# Altium PCB Barrier_PCB.PcbDoc (part 1 of 2)
Units mil, origin at the board's own origin, x right, y up, seen from the top; angles counter-clockwise.
Board outline 4803.15 x 3444.88 mil, 2 copper layers (Top Layer, Bottom Layer); 116 components, 115 nets, 498 pads, 127 vias.
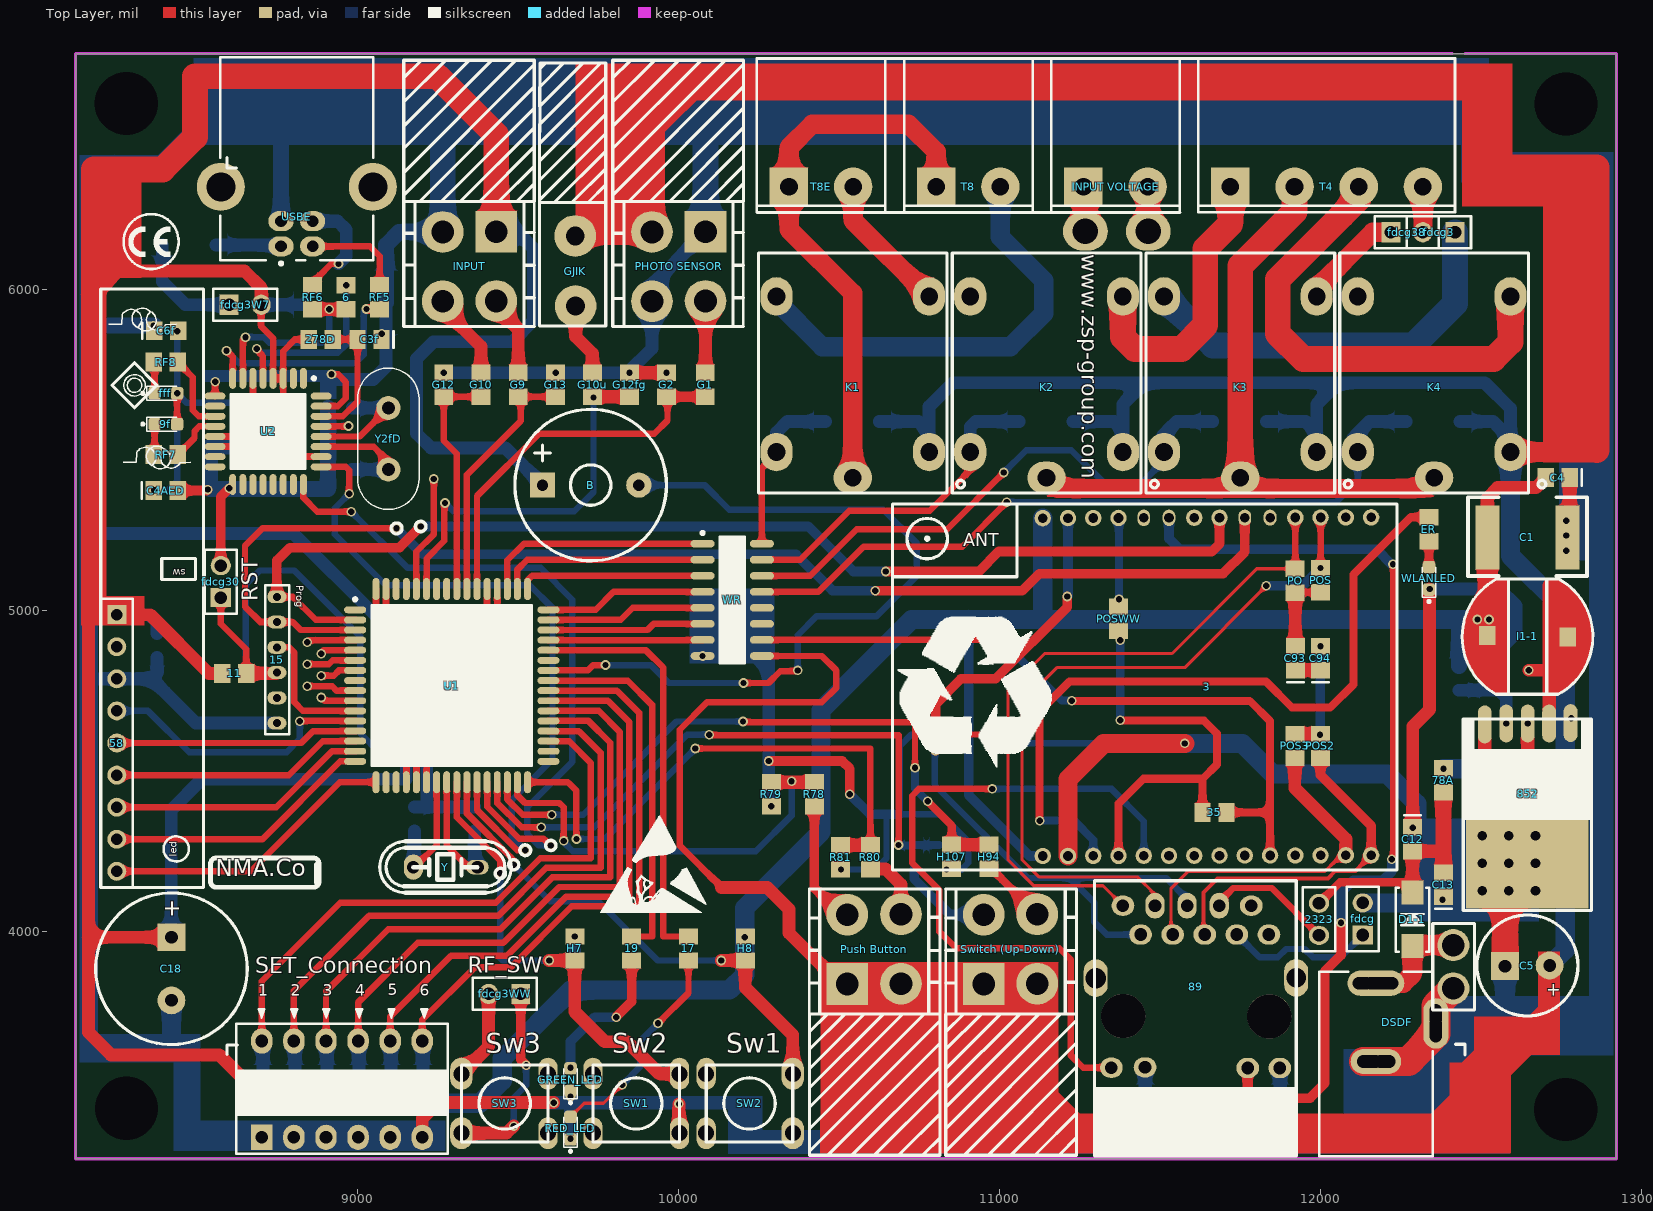
[diagram p0: Top Layer view]
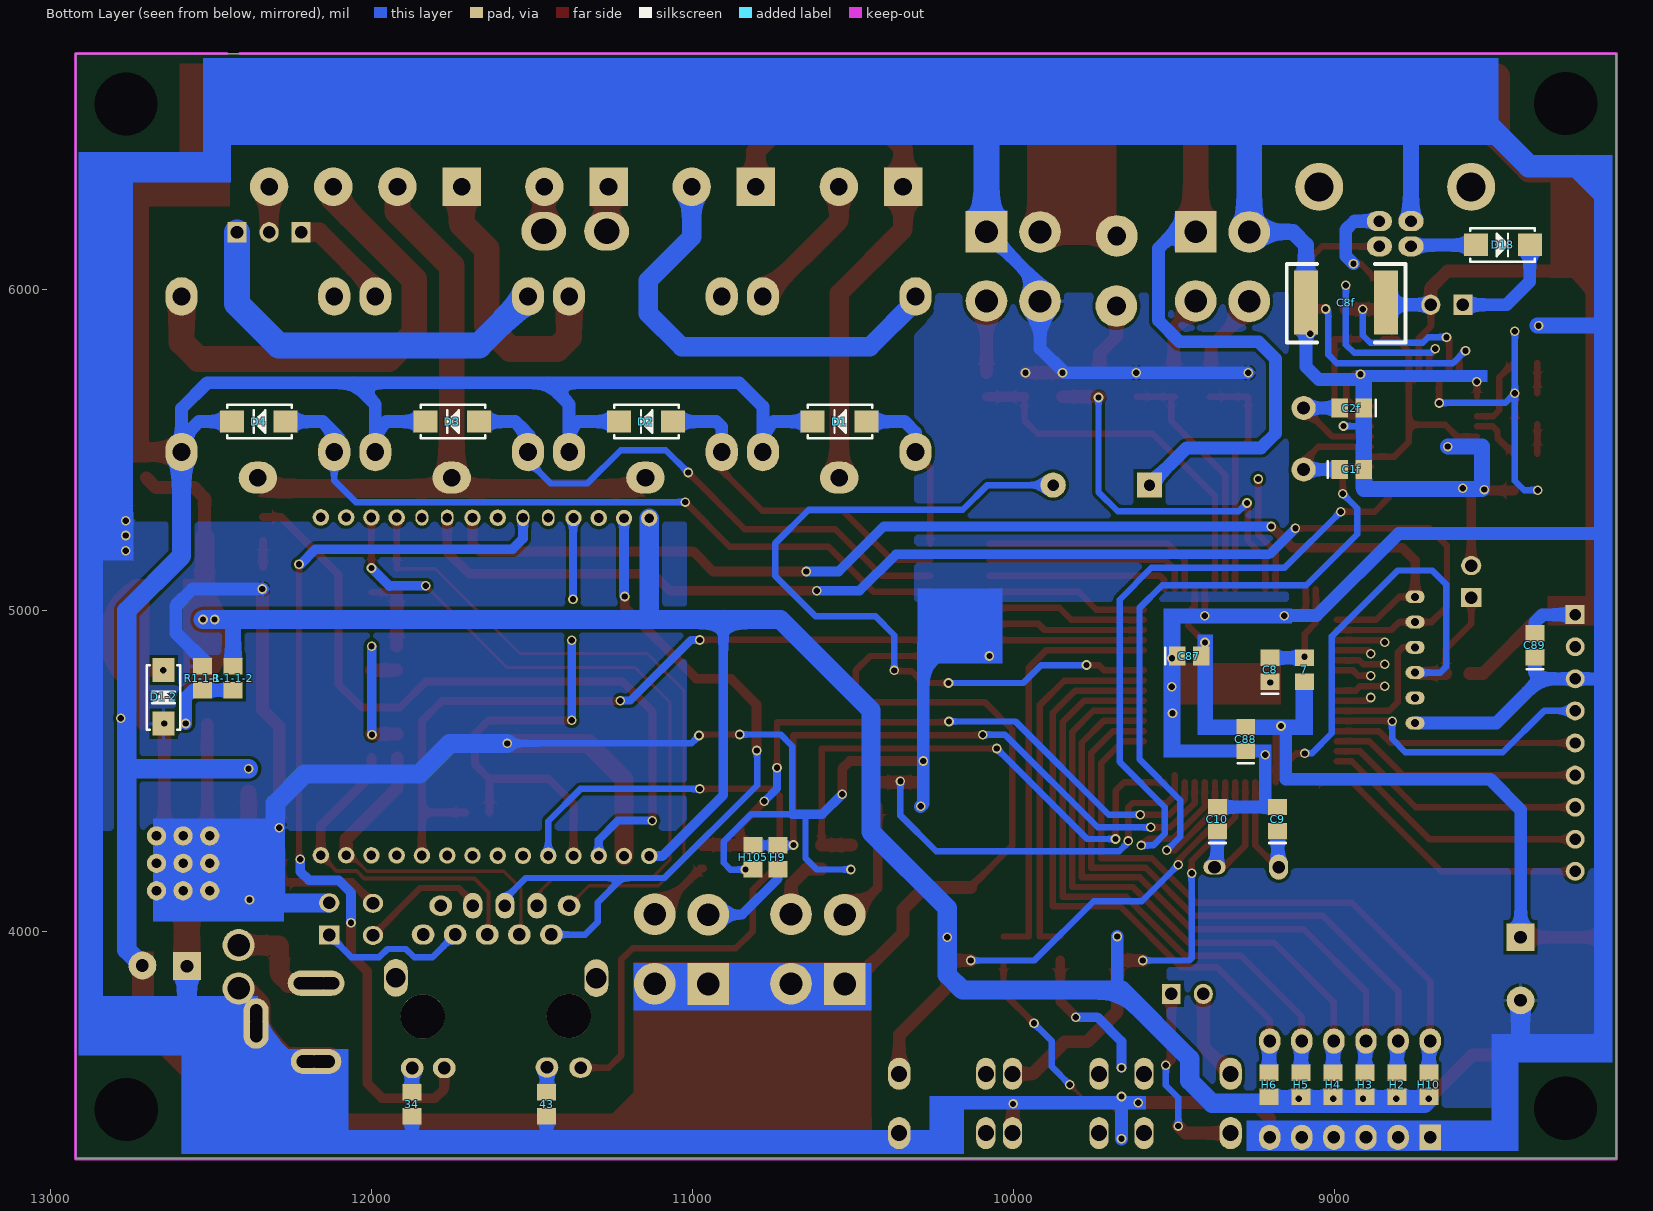
[diagram p1: Bottom Layer view, seen from below]
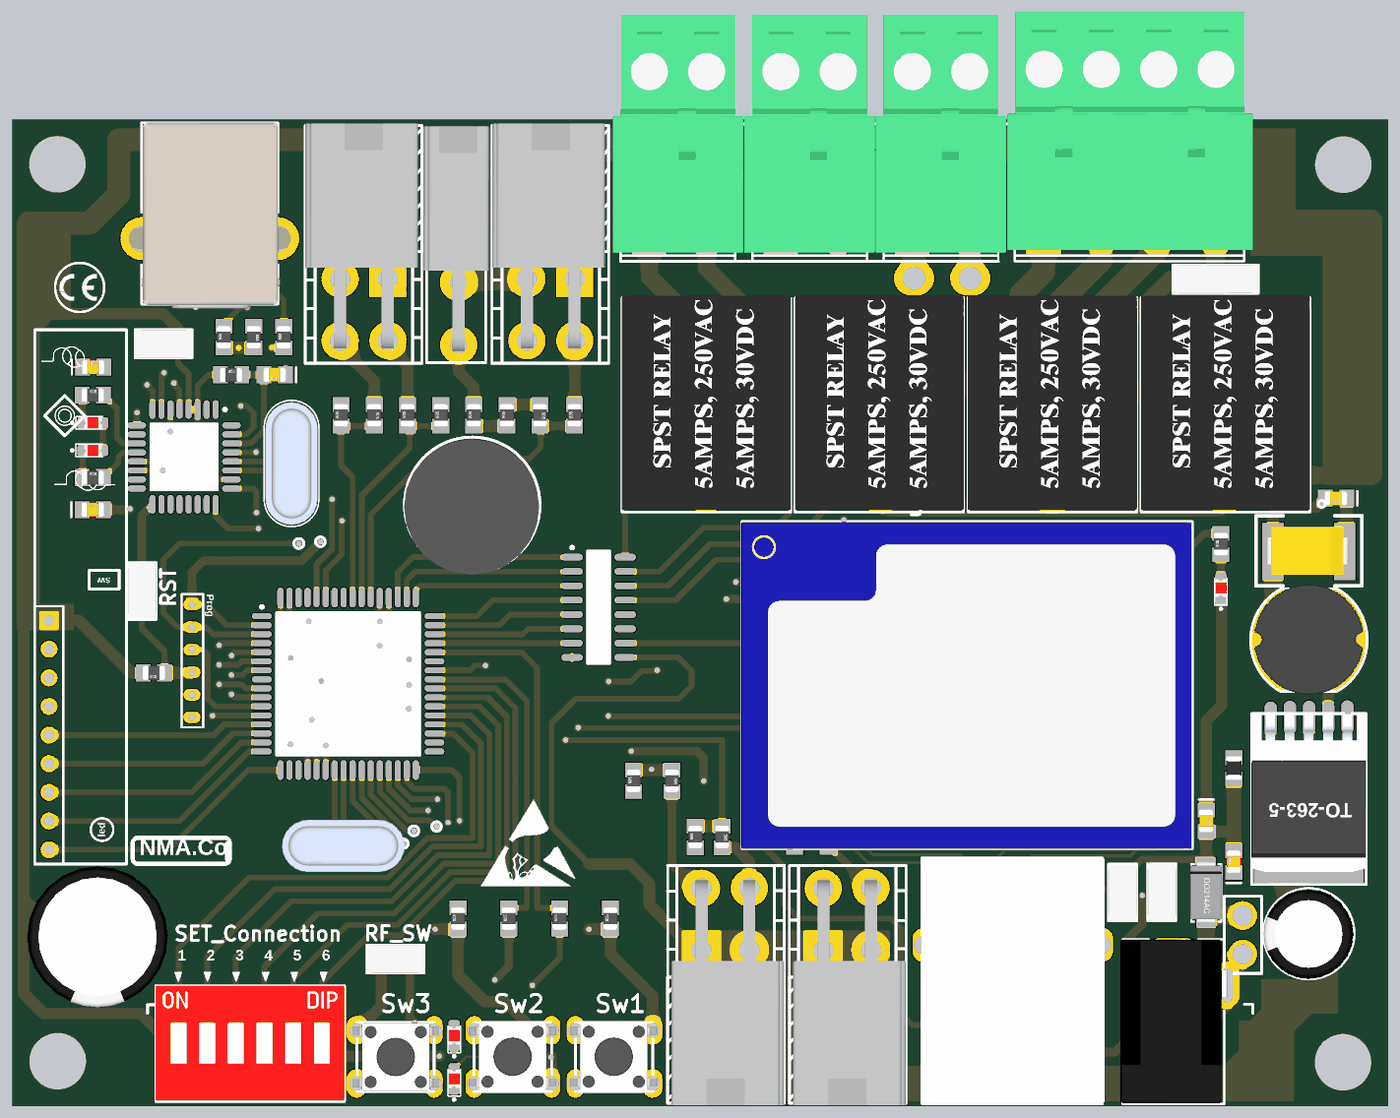
[diagram p3: 3D render of the assembled board from above, using the file's embedded part models]
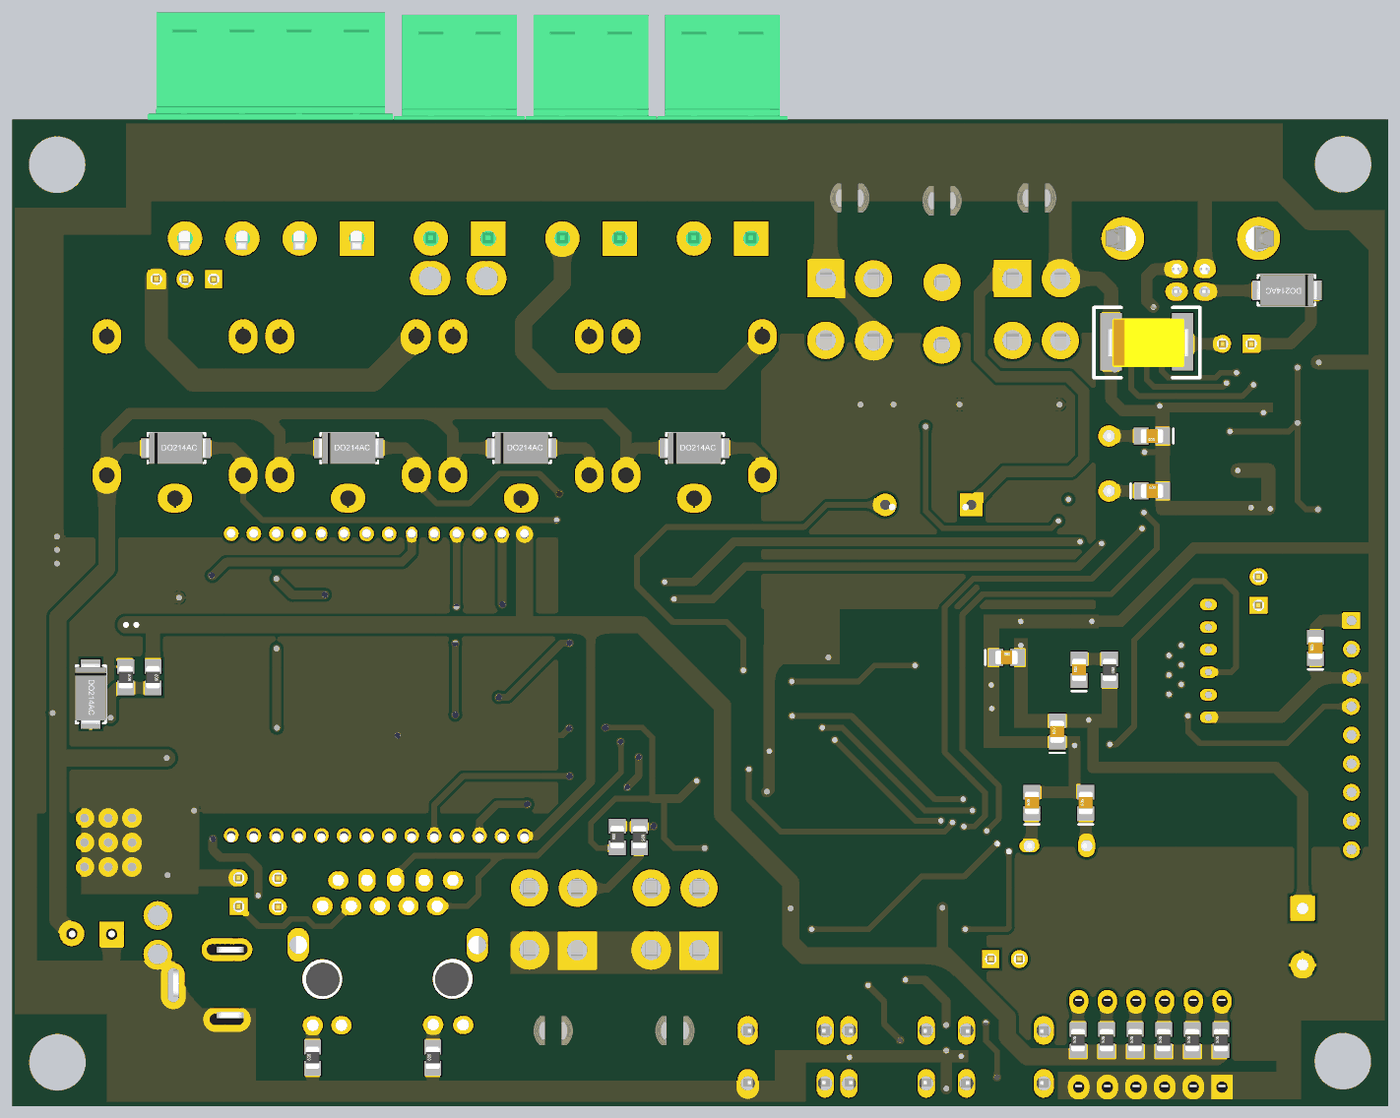
[diagram p4: 3D render of the assembled board from below, using the file's embedded part models]

## Layer stack, top to bottom
Top Solder: solder mask 0.4, Solder Resist, Dk 3.5
Top Layer: signal copper 1.4
Dielectric 1: dielectric 12.6, FR-4, Dk 4.8
Bottom Layer: signal copper 1.4
Bottom Solder: solder mask 0.4, Solder Resist, Dk 3.5

## Board outline
8120.25,3290.25 8120.25,6735.13 12923.4,6735.13 12923.4,3290.25

## Design rules (kind name [scope] priority, off if disabled: settings)
Clearance [All] p1: gap=10
PolygonConnect [All] p1: connectstyle=Relief reliefconductorwidth=10 reliefentries=4 polygonreliefangle="90 Angle" airgapwidth=10
RoutingVias [All] p1: holewidth=28 width=50 viastyle="Through Hole" minholewidth=28 minwidth=50 maxholewidth=28 maxwidth=50
SolderMaskExpansion [All] p1: expansion=4
Width [All] p1: maxlimit=100 minlimit=10 preferedwidth=10
30 further rules are at their usual default settings.

## Classes and differential pairs
component class Barrier_Schematic: 3 5 7 11 15 17 19 34 35 43 58 78A 89 852 2323 B C1 C4 C5 C8 C9 C10 C12 C13 C18 C87 C88 C89 C93 C94 D1 D1-1 D1-2 D2 D3 D4 DSDF ER fdcg fdcg3 fdcg3WW fdcg30 fdcg38 G1 G2 G9 G10 G10u G12 G12fg G13 GJIK GREEN_LED H2 H3 H4 H5 H6 H7 H8 H9 H10 H94 H105 H107 I1-1 INPUT "INPUT VOLTAGE" K1 K2 K3 K4 "PHOTO SENSOR" PO POS POS2 POS3 POSWW "Push Button" R1-1-1 R78 R79 R80 R81 R-1-1-2 RED_LED SW1 SW2 SW3 "Switch (Up-Down)" T4 T6 T8 T8E U1 WR Y
component class FT232BL: 1f 3f 4f 6 7f 8f 9f 278D C1f C2f C3f C4AED C6f C8f D18 fdcg3W7 fff RF5 RF6 RF7 RF8 U2 USBE Y2fD

## Components (designator, comment, footprint, x,y, rotation, side; value= is the part's Value field where it differs from the comment)
3 "HLK_WifiModule" HLK 12160,4235 r90 top locked
6 "1.5K" R0805 8963.67,6011 r270 top
7 "10uH" Indicator0805 9095.01,4849.7 r270 bottom
9f "LED_SMD" Led0805 8368.37,5579.95 r0 top
11 "8.2K" R0805 8650.54,4803.11 r180 top
15 "Programmer" Programmer 8749,5039 r270 top
17 "330R" R0805 10030.84,3910 r90 top
19 "330R" R0805 9853.68,3910 r90 top
34 "330" R0805 11874.73,3423.86 r90 bottom
35 "330R" R0805 11634.85,4369.72 r0 top
43 "330" R0805 11455.08,3423.86 r90 bottom
58 "ZR17-J-RF" ZR17-J 8250,4185 r90 top locked
78A "fuse_SMD0805" fuse_SMD0805 12383,4507 r270 top
89 "RJ45_B" RJ45_B 11549,3397.95 r0 top
278D "470" R0805 8849,5844 r0 top
852 "LM2576S" LM2576S 12777.94,4650 r180 top locked
2323 "Jumper" Jumper#1 11994.26,4089.28 r270 top
B "Buzzer" Buzzer 9726,5392 r0 top
C1 "470uf" 2220 12767,5225 r180 top
C1f "27pf" Cap0805 8982.39,5438.55 r180 bottom
C2f "27pf" Cap0805 8907.9,5630.2 r0 bottom
C3f "0.1uf" Cap0805 9074,5844 r180 top
C4 "100nf" Cap0805 12778,5413 r180 top
C4AED "100nf" Cap0805 8364.2,5373 r0 top
C5 "Cap_4mm" Cap_4mm 12714,3892.54 r180 top
C6f "33nf" Cap0805 8366,5871 r0 top
C8 "100nF" Cap0805 9199.57,4776.7 r90 bottom
C8f "Cap_4mm" 2220 9084,5961 r180 bottom
C9 "22pf" Cap0805 9176.35,4311.7 r90 bottom
C10 "22pf" Cap0805 9364.4,4311.7 r90 bottom
C12 "100nf" Cap0805 12287.74,4323.74 r270 top
C13 "100nf" Cap0805 12384,4107 r90 top
C18 "Cap_5mm" Cap_5mm 8419.29,3980.68 r270 top
C87 "100nF" Cap0805 9489.9,4856.93 r180 bottom
C88 "100nF" Cap0805 9275.78,4560.99 r90 bottom
C89 "100nF" Cap0805 8374.64,4852.96 r90 bottom
C93 "100NF" Cap0805 11922.48,4813.19 r90 top
C94 "100NF" Cap0805 12000.62,4813.19 r90 top
D1 "" Diod-1A-SMD 10456,5589 r0 bottom
D1-1 "" Diod-1A-SMD 12288.6,3951 r90 top
D1-2 "" Diod-1A-SMD 12648,4644 r90 bottom
D2 "" Diod-1A-SMD 11059.33,5589 r0 bottom
D3 "" Diod-1A-SMD 11662.67,5589 r0 bottom
D4 "" Diod-1A-SMD 12266,5589 r0 bottom
D18 "" Diod-1A-SMD 8560,6138 r180 bottom
DSDF "DC-Jack" DC_powerjack 12183.59,3594.89 r90 top
ER "330R" R0805 12339,5217.29 r90 top
fdcg "Jumper" Jumper#2 12134.48,3984.58 r90 top
fdcg3 "Jumper" Jumper#2 12423,6180 r180 top
fdcg3W7 "Jumper" Jumper#2 8596,5950 r0 top
fdcg3WW "Jumper" Jumper#2 9511,3806 r180 top
fdcg30 "Jumper" Jumper#2 8575,5036 r90 top
fdcg38 "Jumper" Jumper#2 12217,6176 r0 top
fff "LED_SMD" Led0805 8368.37,5675.95 r0 top
G1 "12K" R0805 10083.02,5667.11 r90 top
G2 "5.6k" R0805 9962.45,5738.3 r270 top
G9 "12K" R0805 9500.28,5667.11 r90 top
G10 "12K" R0805 9384.15,5738.3 r270 top
G10u "12K" R0805 9731.75,5667.11 r90 top
G12 "5.6k" R0805 9268.02,5667.11 r90 top
G12fg "5.6k" R0805 9847.1,5667.11 r90 top
G13 "5.6k" R0805 9616.4,5667.11 r90 top
GJIK "ATX_1.2R" ATX_1.2R 9681,5944.96 r90 top
GREEN_LED "LED_SMD" Led0805 9663,3503.19 r90 top
H2 "330" R0805 8804.3,3485.3 r90 bottom
H3 "330" R0805 8903.98,3485.3 r90 bottom
H4 "330" R0805 9003.65,3485.3 r90 bottom
H5 "330" R0805 9103.33,3485.3 r90 bottom
H6 "330" R0805 9203,3485.3 r90 bottom
H7 "330" R0805 9676.52,3910 r90 top
H8 "330" R0805 10208,3910 r90 top
H9 "12K" R0805 10734.08,4265.11 r270 bottom
H10 "330" R0805 8704.63,3485.3 r90 bottom
H94 "12K" R0805 10968.19,4267.25 r270 top
H105 "5.6k" R0805 10811.03,4194.38 r90 bottom
H107 "5.6k" R0805 10851.33,4196.06 r90 top
I1-1 "Indicator100uH" Indicator_SMD 12662,4965 r180 top
INPUT "ATX2*2R" ATX2*2R 9435,6180 r180 top
"INPUT VOLTAGE" "Phonix" Phonix-2 11262,6319.94 r0 top
K1 "Relay" Relay_2 10781,5493 r180 top
K2 "Relay" Relay_2 11385,5493 r180 top
K3 "Relay" Relay_2 11989,5493 r180 top
K4 "Relay" Relay_2 12593,5493 r180 top
"PHOTO SENSOR" "ATX2*2R" ATX2*2R 10087,6180 r180 top
PO "51" R0805 11921.93,5056.03 r90 top
POS "51" R0805 12001.2,5057.23 r90 top
POS2 "51" R0805 12000.71,4612.29 r270 top
POS3 "51" R0805 11920.84,4612.29 r270 top
POSWW "1K" R0805 11371.25,4938.06 r90 top
"Push Button" "ATX2*2R" ATX2*2R 10523,3835 r0 top
R1-1-1 "1.5K" R0805 12527,4823.67 r270 bottom
R78 "12K" R0805 10423.33,4462 r270 top
R79 "5.6k" R0805 10289,4390.8 r90 top
R80 "12K" R0805 10598.05,4265.97 r270 top
R81 "5.6k" R0805 10504.82,4194.77 r90 top
R-1-1-2 "3.6K" R0805 12432,4823.67 r270 bottom
RED_LED "LED_SMD" Led0805 9663,3352 r90 top
RF5 "27" R0805 9068.13,5940 r90 top
RF6 "27" R0805 8859.21,5940 r90 top
RF7 "220" R0805 8366,5485 r0 top
RF8 "220" R0805 8366,5773 r0 top
SW1 "PushButton_small" PushButton#1 9870,3528 r180 top
SW2 "PushButton_small" PushButton#2 10223,3528 r180 top
SW3 "PushButton_small" PushButton#2 9456,3397 r0 top
"Switch (Up-Down)" "ATX2*2R" ATX2*2R 10948,3835 r0 top
T4 "MOTOR-DRIVER" Phonix-4 11720,6319.94 r0 top
T8 "Alarm" Phonix-2 10803,6319.94 r0 top
T8E "Blinker" Phonix-2 10344,6319.94 r0 top
U1 "ATmega64-16AU" 64A_N 9293,4765 r0 top locked
U2 "FT232BL" LQFP-32_N 8720.37,5557.19 r270 top
USBE "USB_B" USB_Dip_R 8855,6270 r90 top
WLANLED "LED_SMD" Led0805 12339,5065.65 r90 top
WR "ULN2003" SO16 10072.28,4860.23 r0 top
Y "14.7456" CrystallB 9172.32,4198.15 r0 top
Y2fD "6Mhz" Crystal 9095.33,5629.3 r270 top
? "t" DIPSW6 8700,3355 r0 top

## Footprints (in the part's own frame and the unit in brackets; to place one, negate y for a bottom-side part, rotate by r counter-clockwise, add the part's x,y. Pads: shape width x height; smd on the part's side, far side on the other; paste and mask are expansions set on the pad)
64A_N [mm] "Thin QFP, 64-Leads, Body 14x14mm, Pitch 0.8mm, IPC Medium Density"
  oval 1.75x0.55 smd: 1(-7.65,6) 2(-7.65,5.2) 3(-7.65,4.4) 4(-7.65,3.6) 5(-7.65,2.8) 6(-7.65,2) 7(-7.65,1.2) 8(-7.65,0.4) 9(-7.65,-0.4) 10(-7.65,-1.2) 11(-7.65,-2) 12(-7.65,-2.8) 13(-7.65,-3.6) 14(-7.65,-4.4) 15(-7.65,-5.2) 16(-7.65,-6) 33(7.65,-6) 34(7.65,-5.2) 35(7.65,-4.4) 36(7.65,-3.6) 37(7.65,-2.8) 38(7.65,-2) 39(7.65,-1.2) 40(7.65,-0.4) 41(7.65,0.4) 42(7.65,1.2) 43(7.65,2) 44(7.65,2.8) 45(7.65,3.6) 46(7.65,4.4) 47(7.65,5.2) 48(7.65,6)
  oval 0.55x1.75 smd: 17(-6,-7.65) 18(-5.2,-7.65) 19(-4.4,-7.65) 20(-3.6,-7.65) 21(-2.8,-7.65) 22(-2,-7.65) 23(-1.2,-7.65) 24(-0.4,-7.65) 25(0.4,-7.65) 26(1.2,-7.65) 27(2,-7.65) 28(2.8,-7.65) 29(3.6,-7.65) 30(4.4,-7.65) 31(5.2,-7.65) 32(6,-7.65) 49(6,7.65) 50(5.2,7.65) 51(4.4,7.65) 52(3.6,7.65) 53(2.8,7.65) 54(2,7.65) 55(1.2,7.65) 56(0.4,7.65) 57(-0.4,7.65) 58(-1.2,7.65) 59(-2,7.65) 60(-2.8,7.65) 61(-3.6,7.65) 62(-4.4,7.65) 63(-5.2,7.65) 64(-6,7.65)
  silkscreen extent -7.77,-6.35 6.35,6.95, body extent -7,-7 7,7, height 1.2
2220 [mil]
  rect 75x200 smd: 1(-4,-2) 2(246,-2)
  silkscreen extent -64,-127 306,118, body extent -18,-90 270,80, height 122
ATX2*2R [mm]
  rect 3.3x3.3 hole 1.8: 1(0.076,0)
  round 3.3 hole 1.8: 2(0.076,5.486) 3(4.318,0.025) 4(4.318,5.512)
  silkscreen extent -2.92,-13.56 7.42,7.52, body extent -2.59,-13.74 7.41,6.19, height 11.4
ATX_1.2R [mm]
  round 3.3 hole 1.5: 1(5.627,0.078) 2(0.076,0.051)
  silkscreen extent -1.5,-2.33 19.33,2.9, body extent -0.47,-2.62 19.46,3.18, height 11.4
Buzzer [mm]
  rect 2x2 hole 0.9: 1(-3.81,-0.051)
  round 2 hole 0.9: 2(3.81,-0.051)
  silkscreen extent -6,-6.05 6,5.95, body extent -6.05,-6.25 5.95,5.75, height 8.6
Cap0805 [mm]
  rect 1.3x1.5 smd: 1(0,0) 2(1.9,0)
  silkscreen extent -0.95,-0.65 -0.95,0.65, body extent -0.05,-0.62 1.95,0.63, height 0.78
Cap_4mm [mm]
  rect 2.2x2.2 hole 1: 1(3.502,0.05)
  round 2.2 hole 1: 2(-0.023,0)
  silkscreen extent -2.27,-4 5.73,4, body extent -2.25,-3.98 5.73,4.02, height 11.01
Cap_5mm [mm]
  round 2.2 hole 1: 1(5,0)
  rect 2.2x2.2 hole 1: 2(0,0)
  silkscreen extent -3.5,-6 8.5,6, body extent -3.75,-6.27 8.71,6.23, height 15.01
Crystal [mil] "7.6728Mhz"
  round 75 hole 40 paste-47.24: 1(-1.06,0) 2(191.06,0)
  silkscreen extent -125,-96 315,96, body extent -120,-92 310,92, height 138
CrystallB [mil]
  oval 70x45 hole 39.37: 1(201,1)
  oval 59.06x78.74 hole 39.37: 2(1,1)
  silkscreen extent -104,-79 306,81, body extent -111,-91 319,93, height 138
DC_powerjack [mm]
  round 1.5 hole 1: 1(-0.044,1.254) 1(-0.044,1.092) 1(-0.044,0.965) 1(-0.044,0.762) 1(-0.044,0.559) 1(-0.044,0.356) 1(-0.044,0.406) 1(-0.044,0.254) 1(-0.044,-0.076) 1(-0.044,-0.254) 1(-0.044,-0.381) 1(-0.044,-0.584) 1(-0.044,-0.746) 1(-0.044,-0.787) 1(1.972,-4.496) 1(2.134,-4.496) 1(2.261,-4.496) 1(2.464,-4.496) 1(2.667,-4.496) 1(2.819,-4.496) 1(2.87,-4.496) 1(2.972,-4.496) 1(3.302,-4.496) 1(3.48,-4.496) 1(3.607,-4.496) 1(3.81,-4.496) 1(3.972,-4.496) 1(4.013,-4.496) 2(6.147,-1.041) 2(6.147,-0.94) 2(6.147,-0.66) 2(6.147,-0.203) 2(6.147,-0.025) 2(6.147,0.483) 2(6.147,0.711) 2(6.147,1.194) 2(6.147,1.321) 2(6.147,1.6) 2(6.156,-0.996) 2(6.156,-0.508) 2(6.156,0.254) 2(6.156,1.016) 2(6.156,1.504)
  oval 2x4 all layers, no hole: 1(-0.044,0.254)
  oval 4x2 all layers, no hole: 1(2.972,-4.496)
  oval 2x4.5 all layers, no hole: 2(6.156,0.254)
  silkscreen extent -7.54,-4.25 7.06,4.75, body extent -7.45,-4.52 7.05,4.98, height 10.7
Diod-1A-SMD [mm]
  rect 1.9x1.75 smd: A(0.059,0.025) K(4.309,0.025)
  silkscreen extent -0.42,-1.3 4.68,1.35, body extent -0.56,-1.37 4.93,1.42, height 2.24
DIPSW6 [mm]
  rect 1.7x2 hole 1: 1(0.025,0.051)
  oval 1.7x2 hole 1: 2(2.565,0.051) 3(5.105,0.051) 4(7.645,0.051) 5(10.185,0.051) 6(12.725,0.051) 7(12.725,7.671) 8(10.185,7.671) 9(7.645,7.671) 10(5.105,7.671) 11(2.565,7.671) 12(0.025,7.671)
  silkscreen extent -2,-1.25 14.76,9.05, body extent -2,-1.13 14.76,9.03, height 6.9
fuse_SMD0805 [mm]
  rect 1.3x1.5 smd: 1(1.9,0.025) 2(0,0.025)
  body extent -0.14,-0.65 1.96,0.7, height 0.6
HLK [mm]
  round 1.3 hole 0.762: 1(-0.03,26.035) 2(-0.025,24.035) 3(-0.021,22.035) 4(-0.016,20.035) 5(-0.012,18.035) 6(-0.007,16.035) 7(-0.002,14.035) 8(0.002,12.035) 9(0.007,10.035) 10(0.011,8.035) 11(0.016,6.035) 12(0.021,4.035) 13(0.025,2.035) 14(0.03,0.035) 15(26.78,0.035) 16(26.775,2.035) 17(26.771,4.035) 18(26.766,6.035) 21(26.752,12.035) 22(26.748,14.035) 25(26.734,20.035) 26(26.729,22.035) 27(26.725,24.035) 28(26.72,26.035)
  oval 1.27x1.016 hole 0.762: 19(26.761,8.035) 20(26.757,10.035)
  oval 1.3x1.016 hole 0.762: 23(26.743,16.035) 24(26.738,18.035)
  silkscreen extent -1.14,-2.01 27.84,37.92, body extent -1.19,-1.98 27.81,38.02, height 2.5
Indicator0805 [mm]
  rect 1.3x1.5 smd: 1(-0.046,0.051) 2(1.854,0.051)
  body extent -0.1,-0.57 1.9,0.68, height 0.78
Indicator_SMD [mm]
  rect 1.3x1.5 smd: 1(-2.795,1.219) 2(3.607,1.118)
  Top Layer region: -1.118,-3.277 -2.007,-3.277 -2.007,-3.353 -1.118,-3.353
  Top Layer region: 1.93,5.69 2.819,5.69 2.819,5.766 1.93,5.766
  Top Layer region: -1.118,-3.277 -1.118,-3.277 -1.118,-3.277 -2.134,-3.277 -3.2,-2.21 -4.166,-1.092 -4.623,0.711 -4.521,2.108 -4.14,3.429 -3.226,4.648 -2.007,5.74 -1.092,5.74
  Top Layer region: 1.93,5.69 2.946,5.69 4.013,4.623 4.978,3.505 5.436,1.702 5.334,0.305 4.953,-1.016 4.039,-2.235 2.819,-3.327 1.905,-3.327
  Top Layer lines w0.24: 2.817,-3.209 ccw(c0.381,1.214) 3.581,-2.692 ccw(c0.381,1.214) 2.779,5.658 ; -1.966,-3.245 cw(c0.432,1.199) -2.004,5.622
  silkscreen extent -4.77,-3.36 5.58,5.78, body extent -4.42,-3.75 5.24,6.03, height 5.5
Jumper#1 [mm]
  oval 1.5x1.6 hole 1: 1(0.076,0.051) 2(2.616,0.051)
  silkscreen extent -1.19,-1.22 3.89,1.32, body extent -1.15,-1.24 3.85,1.3, height 9.5
Jumper#2 [mm]
  rect 1.5x1.6 hole 1: 1(0.076,0.051)
  oval 1.5x1.6 hole 1: 2(2.616,0.051)
  silkscreen extent -1.19,-1.22 3.89,1.32, body extent -1.15,-1.24 3.85,1.3, height 9.5
Led0805 [mm]
  rrect49% 1x1 smd: A(1.744,0) k(-0.042,0)
  silkscreen extent -1.08,-0.55 1.71,0.55, body extent 0.06,-0.5 1.66,0.5, height 0.8
LM2576S [mm]
  oval 1.1x3 smd: 1(-0.065,0.047) 2(1.634,0.083) 3(3.334,0.083) 4(5.033,0.083) 5(6.732,0.154)
  rect 9.7x7 smd: 3(3.369,11.234)
  silkscreen extent -1.73,-0.27 8.43,14.88, body extent -1.73,-0.23 8.43,13.78
LQFP-32_N [mm] "Thin QFP, 32-Leads, Body 7x7mm, Pitch 0.8mm, IPC Medium Density"
  oval 1.65x0.55 smd: 1(-4.2,2.8) 2(-4.2,2) 3(-4.2,1.2) 4(-4.2,0.4) 5(-4.2,-0.4) 6(-4.2,-1.2) 7(-4.2,-2) 8(-4.2,-2.8) 17(4.2,-2.8) 18(4.2,-2) 19(4.2,-1.2) 20(4.2,-0.4) 21(4.2,0.4) 22(4.2,1.2) 23(4.2,2) 24(4.2,2.8)
  oval 0.55x1.65 smd: 9(-2.8,-4.2) 10(-2,-4.2) 11(-1.2,-4.2) 12(-0.4,-4.2) 13(0.4,-4.2) 14(1.2,-4.2) 15(2,-4.2) 16(2.8,-4.2) 25(2.8,4.2) 26(2,4.2) 27(1.2,4.2) 28(0.4,4.2) 29(-0.4,4.2) 30(-1.2,4.2) 31(-2,4.2) 32(-2.8,4.2)
  silkscreen extent -4.32,-2.95 2.95,3.75, body extent -3.5,-3.5 3.5,3.5, height 1.2
Phonix-2 [mil]
  rect 120x120 hole 55: 1(0,0)
  round 120 hole 55: 2(200,0)
  silkscreen extent -100,-60 300,-60, body extent -127,-49 328,781, height 615
Phonix-4 [mil]
  rect 120x120 hole 55: 1(0,0)
  round 120 hole 55: 2(200,0) 3(400,0) 4(600,0)
  silkscreen extent -100,-80 700,400, body extent -126,-41 730,789, height 615
Programmer [mil]
  oval 40x60 hole 25: 1(-2.7,-1) 2(76.04,-1) 3(154.78,-1) 4(233.52,-1) 5(312.26,-1) 6(391,-1)
  silkscreen extent -39,-37 426,38
PushButton#1 [mil]
  oval 60x100 hole 50: 1(-133,158) 1a(137,158) 2(-133,-27) 2a(137,-27)
  silkscreen extent -133,-55 137,186, body extent -148,-53 154,183, height 195
PushButton#2 [mil]
  oval 70x100 hole 50: 1(-133,158) 2(-133,-27)
  oval 60x100 hole 50: 1a(137,158) 2a(137,-27)
  silkscreen extent -133,-55 137,186, body extent -148,-53 154,183, height 195
R0805 [mm]
  rect 1.3x1.5 smd: 1(-0.046,0) 2(1.854,0)
  body extent -0.1,-0.62 1.9,0.63, height 0.78
Relay_2 [mil]
  oval 100x120 hole 55: 1(0,0) 2(0,-485) 3(476,-485) 4(476,0)
  oval 120x100 hole 55: 5(238,80)
  silkscreen extent -110,-620 532,128, body extent -57,-627 533,121, height 611
RJ45_B [mm]
  oval 1.8x1.6 hole 1: 1(-4.166,17.297) 2(-2.769,15.011) 4(-0.229,15.011) 6(2.311,15.011) 8(4.851,15.011) 9(5.994,17.297) 10(7.391,15.011) 11(-5.08,4.47) 12(-2.413,4.496) 13(5.715,4.445) 14(8.255,4.445)
  oval 1.524x2.032 hole 1: 3(-1.626,17.297) 5(0.914,17.297) 7(3.454,17.297)
  oval 1.9x3 hole 1.6: 15(-6.325,11.557)
  oval 1.9x3 hole 1.56: 16(9.55,11.582)
  round 3.5 hole 3.5: ""(-4.14,8.56) ""(7.417,8.534)
  silkscreen extent -6.43,-2.51 9.55,19.28, body extent -6.48,-2.39 9.78,19.2, height 14.36
SO16 [mm]
  oval 1.9x0.6 smd: 1(0.063,8.814) 2(0.063,7.544) 3(0.063,6.274) 4(0.063,5.004) 5(0.063,3.734) 6(0.063,2.464) 7(0.063,1.194) 8(0.063,-0.076) 9(4.763,-0.076) 10(4.763,1.194) 11(4.763,2.464) 12(4.763,3.734) 13(4.763,5.004) 14(4.763,6.274) 15(4.763,7.544) 16(4.763,8.814)
  silkscreen extent -0.06,-0.63 3.41,9.79, body extent 0.46,-0.58 4.36,9.32, height 1.75
USB_Dip_R [mm]
  oval 1.6x2 hole 0.92: 1(-3.453,2.393) 2(-3.453,-0.107) 3(-1.453,-0.107) 4(-1.453,2.393)
  round 3.8 hole 2.3: 5(1.257,7.163) 6(1.257,-4.877)
  silkscreen extent -4.93,-4.91 11.54,7.19, body extent -4.94,-6.41 11.56,8.54, height 10.9
ZR17-J [mm] "RF 315/433 Learned Module"
  rect 1.5x1.5 hole 0.9: 1(20.345,0.025)
  round 1.5 hole 0.9: 2(17.805,0.025) 3(15.265,0.025) 4(12.725,0.025) 5(10.185,0.025) 6(7.645,0.025) 7(5.105,0.025) 8(2.565,0.025) 9(0.025,0.025)
  silkscreen extent -1.24,-6.83 46.13,1.3

## Part data
6 11 17 19 34 35 43 278D ER G1 G2 G9 G10 G10u G12 G12fg G13 H2 H3 H4 H5 H6 H7 H8 H9 H10 H94 H105 H107 PO POS POS2 POS3 POSWW R1-1-1 R78 R79 R80 R81 R-1-1-2 RF5 RF6 RF7 RF8: library part R0805
7: library part Indicator0805
C1: library part Cap_4mm
C1f C2f C3f C4 C4AED C6f C8 C9 C10 C12 C13 C87 C88 C89 C93 C94: library part Cap0805, "surface mount capacitor (size 805)"
D1 D1-1 D1-2 D2 D3 D4 D18: library part "Diode 1N4001 SMD"
"INPUT VOLTAGE" T8 T8E: library part Phonix-2
K1 K2 K3 K4: library part Relay_2
T4: library part Phonix-4
U1: "8-bit AVR Microcontroller, 4.5-5.5V, 64KB Flash, 2KB EEPROM, 4KB SRAM, 64-pin TQFP, Industrial Grade (-40°C to 85°C), Pb-Free"
U2: "USB UART Asynchronous Serial Data Transfer Chip, 0 to +70 degC, 32-pin LQFP, Pb-Free"
Y: library part "Xtal 1"
Y2fD: library part Crystal
?: library part DipSwitch6pin

## Free pads (board coordinates)
  oval 140x120 hole 80: 0(11268,6181) 0(11464,6181)
  round 100 hole 70: 0(12415,3821) 0(12415,3956)
  round 60 hole 30: 0(12505.15,4125.43) 0(12505.15,4210.95) 0(12505.15,4296.47) 1(12588.14,4125.43) 1(12588.14,4210.95) 1(12588.14,4296.47) 2(12671.13,4125.43) 2(12671.13,4210.95) 2(12671.13,4296.47)
  round 60 hole 196.85: 1(8278.24,6578.93) 1(8279.16,3447.36) 1(12765.22,3443.49) 1(12766.37,6577.44)

## Via types
v1: diameter 30, hole 19.68, Top Layer to Bottom Layer, tented both sides, 127 vias

## Nets (pads, with @x,y where several pads share a name; then routed paths per layer and width w, separated by ;. In a path a pad name is that pad's centre, name@x,y a point inside that pad or via, vN(x,y) a via of type N, cw(c..) or ccw(c..) an arc to the next point about the centre after c; other vN are vias at no path point)
3.3V: 3.4 35.1 POSWW.1 | length 1288.4
  Top Layer w25: 3.4@11371,4234.58 3.4@11371.22,4234.36 11371.22,4396.8 11449.03,4474.61 11633.76,4474.61 11678.05,4518.9 11678.05,4615.05 11637,4656.1 v1@11376.65,4656.1 ; 35.1@11633.04,4369.72 11633.04,4473.89
  Bottom Layer w25: v1(11376.65,4657.18) v1@11376.65,4906.66
  other v1: 11376.69,4906.66
3V3: 9f.A C4AED.1 C6f.2 fff.A U2.6 | length 969.8
  Top Layer w20: 9f.A@8437.01,5579.95 v1(8437.01,5675.95) ; v1@8673.12,5646.12 U2.6@8673.12,5722.54
  Bottom Layer w20: v1(8366,5374) 8408,5374 8437.01,5403.01 v1(8437.01,5675.95) ; v1(8437.01,5868.99) v1(8437.01,5675.95) ; v1(8673,5646) 8466.96,5646 v1(8437.01,5675.95)
AC_NOLL: "INPUT VOLTAGE.2" pad.0@11464,6181 | length 139.8
  Top Layer w60: 11462,6319.94 11464,6317.94 pad.0@11464,6181
AC_PHASE_IN: "INPUT VOLTAGE.1" pad.0@11268,6181 | length 141.4
  Top Layer w60: 11262,6319.94 11268,6313.94 pad.0@11268,6181
ALM1: T8.2
ALM2: T8.1
AVCC: 7.1 C8.2 U1.64 | length 333.8
  Top Layer w20: U1.64@9057.45,5065.51 9057.45,4960.46 9092.42,4925.49 v1(9092.42,4854.7)
  Bottom Layer w40: v1(9092.42,4854.7) 9095.61,4851.5 C8.2@9199.57,4851.5
BLI1: K1.5 T8E.1 | length 1745.4
  Top Layer w60: K1.5@10543,5413 10543,5988 10344,6187 T8E.1@10344,6319.94 10344,6442 10417,6515 10717,6515 10803,6429 10803,6319.94
BLI2: K1.2 T8E.2 | length 440.1
  Top Layer w60: T8E.2@10544,6319.94 10544,6215 K1.2@10781,5978
BUZZER: B.2 U1.42 | length 2423.4
  Top Layer w20: U1.42@9594.18,4812.55 U1.42@9594.18,4812.24 9717.24,4812.24 9734,4829 v1(9772,4829) ; v1(10202.23,4773.01) 10280.01,4773.01 10316.95,4809.95 v1@10368.81,4809.95
  Bottom Layer w20: v1(9772,4829) 9913,4829 9968.99,4773.01 v1(10202.23,4773.01) v1@10203.68,4773.01 ; B.2@9876,5390 10081,5390 10158,5313 10638,5313 10743,5208 10743,5107 10617,4981 10430,4981 10371.35,4922.35 v1(10371.35,4812.24)
COMMOTOR: K2.5 K3.5 K4.5 T4.2 | length 2213.1
  Top Layer w60: K2.5@11147,5413 11181,5379 12321,5379 K4.5@12355,5413
  Top Layer w80: K3.5@11751,5413 11751,6073 11920,6242 T4.2@11920,6319.94
DK1: G10.1 INPUT.4 | length 272.3
  Top Layer w40: INPUT.4@9265,5963 9265,5941 9384.15,5821.85 G10.1@9384.15,5740.11
DS1: ?.12 H10.2 U1.35 | length 1928.7
  Top Layer w20: ?.12@8701,3657 8701,3843.88 8945.59,4088.47 9430.47,4088.47 9569.05,4227.06 9726.75,4227.06 9726.75,4523.25 9658.9,4591.1 9594.85,4591.1 U1.35@9594.18,4591.77
  Bottom Layer w40: ?.12@8701,3657 8704.63,3653.37 H10.2@8704.63,3558.3
DS2: ?.11 H2.2 U1.36 | length 1915.5
  Top Layer w20: ?.11@8801,3657 8801,3813.54 9035.29,4047.83 9438.53,4047.83 9587.76,4197.06 9756.75,4197.06 9756.75,4555.25 9689.4,4622.6 9594.85,4622.6 U1.36@9594.18,4623.27
  Bottom Layer w40: H2.2@8804.3,3558.3 ?.11@8804.3,3653.7
DS3: ?.10 H3.2 U1.37 | length 1924.1
  Top Layer w20: ?.10@8901,3657 8901,3811.68 9095.24,4005.92 9444.76,4005.92 9605.9,4167.06 9786.75,4167.06 9786.75,4587.25 9719.24,4654.76 U1.37@9594.18,4654.76
  Bottom Layer w40: H3.2@8903.98,3558.3 ?.10@8903.98,3654.02
DS4: ?.9 H4.2 U1.38 | length 1914.1
  Top Layer w20: ?.9@9001,3657 9001,3777.05 9187.09,3963.14 9454.02,3963.14 9627.94,4137.06 9816.75,4137.06 9816.75,4620.25 9750.74,4686.26 U1.38@9594.18,4686.26
  Bottom Layer w40: H4.2@9003.65,3558.3 ?.9@9003.65,3654.35
DS5: ?.8 H5.2 U1.39 | length 1897.1
  Top Layer w20: ?.8@9101,3657 9101,3733.53 9290.83,3923.36 9465.3,3923.36 9649,4107.06 9846.75,4107.06 9846.75,4650.25 9779.76,4717.24 9594.69,4717.24 U1.39@9594.18,4717.76
  Bottom Layer w40: H5.2@9103.33,3558.3 ?.8@9103.33,3654.67
DS6: ?.7 H6.2 U1.40 | length 1899.5
  Top Layer w20: ?.7@9201,3657 9201,3723.03 9364.5,3886.53 9476.63,3886.53 9667.16,4077.06 9876.75,4077.06 9876.75,4680.25 9807.75,4749.25 U1.40@9594.18,4749.25
  Bottom Layer w40: H6.2@9203,3558.3 ?.7@9203,3655
GND: 3.2 15.6 34.1 43.1 58.3 852.3 852.5 "PHOTO SENSOR.1" "PHOTO SENSOR.4" ?.1 ?.2 ?.3 ?.4 ?.5 ?.6 C1.1 C1f.2 C2f.1 C3f.1 C4.1 C4AED.2 C5.1 C6f.1 C8.1 C8f.1 C9.2 C10.2 C12.1 C13.1 C18.1 C87.1 C88.1 C89.1 D1-2.A DSDF.1 fdcg30.2 fdcg.2 G2.1 G12.2 G12fg.2 G13.2 GREEN_LED.k H105.1 H107.1 INPUT.3 pad.0@12415,3821 pad.0@12505.15,4125.43 pad.0@12505.15,4210.95 pad.0@12505.15,4296.47 pad.1@12588.14,4125.43 pad.1@12588.14,4210.95 pad.1@12588.14,4296.47 pad.2 R1-1-1.1 R79.1 R81.1 RED_LED.k SW1.1 SW2.1 U1.22 U1.53 U1.63 U2.9 U2.14 U2.17 U2.29 U2.31 USBE.4 WLANLED.k WR.8 | length 17010.8
  Top Layer w20: U2.14@8555.01,5509.95 8555.01,5510 v1(8646,5510) ; U2.9@8555.01,5667.43 8555.01,5711.01 v1(8556,5712) ; U2.29@8885.72,5572.94 8969.94,5572.94 v1(8971,5574) ; U2.31@8885.72,5635.93 8937.93,5635.93 8963,5661 8963,5711 8939,5735 v1(8918,5735) ; U1.63@9088.28,5066.18 9088.28,5007.02 9112.2,4983.1 v1(9155.45,4983.1) ; U1.22@9214.93,4464.49 9214.93,4549.3 v1(9215.21,4549.58) ; v1(9403.24,4983.16) U1.53@9403.24,5066.18 ; v1(10852.73,4612.53) 10976.82,4612.53 v1(10979.87,4609.48)
  Top Layer w30: C4AED.2@8439,5373 8529,5373 v1(8532,5376) ; fdcg30.2@8573,5139 8573,5354 v1(8599,5380) ; v1(10281,4530) 10510,4530 10534,4506 v1(10534,4426)
  Top Layer w40: ?.6@9201,3357 9201,3416 9250,3465 v1(9611,3465) ; v1(9847.1,5740.11) v1(9962.45,5740.11) ; v1(10001,3461) 10001,3372 SW1.1@10003,3370 ; v1(12288.37,4322.31) 12288.37,4637.37 12341,4690 v1(12341,5066) ; 852.3@12512.9,4340.13 852.5@12512.9,4643.95 ; pad.2@12646.7,4209.12 v1(12646.7,4646.74) ; C1.1@12778,5234 C4.1@12778,5413
  Top Layer w60: 3.2@11213.74,4234 11213.74,4473.09 11325.37,4584.72 v1(11578.18,4584.72)
  Top Layer w80: C5.1@12576.12,3890.57 pad.1@12576.12,4138.54
  Top Layer w90: DSDF.1@12134.22,3593.16 DSDF.1@12140.59,3593.16 DSDF.1@12145.59,3593.16 DSDF.1@12153.59,3593.16 DSDF.1@12161.59,3593.16 DSDF.1@12167.59,3593.16 DSDF.1@12169.59,3593.16 DSDF.1@12173.59,3593.16 DSDF.1@12186.59,3593.16 DSDF.1@12193.59,3593.16 DSDF.1@12198.59,3593.16 DSDF.1@12206.59,3593.16 DSDF.1@12212.96,3593.16 DSDF.1@12214.59,3593.16 12274.87,3593.16 DSDF.1@12360.59,3678.89 DSDF.1@12360.59,3683.89 DSDF.1@12360.59,3691.89 DSDF.1@12360.59,3699.89 DSDF.1@12360.59,3705.89 DSDF.1@12360.59,3707.89 DSDF.1@12360.59,3711.89 DSDF.1@12360.59,3724.89 DSDF.1@12360.59,3731.89 DSDF.1@12360.59,3736.89 DSDF.1@12360.59,3744.89 DSDF.1@12360.59,3751.26 DSDF.1@12360.59,3752.89 12360.59,3766.59 pad.0@12415,3821
  Bottom Layer w20: 8910.9,5574 v1(8971,5574) ; v1(10506.48,4191.6) 10613.03,4191.6 10648,4226.57 10648,4361 ; 10689.06,4364.2 10817.81,4364.2 10903.27,4278.74 10903.27,4212.68 10882.15,4191.56 v1(10835.37,4191.56) ; 10689.06,4368.06 10689.06,4576.19 10725.4,4612.53 v1(10852.73,4612.53) ; v1(10979.87,4609.48) 11004.63,4584.72 v1(11578.18,4584.72)
  Bottom Layer w30: 10237,4864 10237,4851.18 10281.18,4807 ; v1(10534,4426) 10595.8,4364.2 10689.06,4364.2
  Bottom Layer w40: 8161.96,5239.26 8798.74,5239.26 9054.9,4983.1 v1(9155.45,4983.1) ; 8164.76,4788.41 8167.17,4786 58.3@8249,4786 8356.98,4786 ; C89.1@8374.64,4852.96 8374.64,4803.66 8356.98,4786 ; 15.6@8748,4648 8494.98,4648 8356.98,4786 ; 8905,5719 9048,5719 9088,5759 C8f.1@9088,5959 ; C9.2@9176.35,4386.5 C10.2@9364.4,4386.5 ; 9215.21,4393.26 v1@9215.21,4559.3 ; v1(9268.02,5740.11) v1(9616.89,5740.11) 9841.11,5740.11 9917,5816 9917,5963 9917,6013 10084,6180 ; v1(9663,3352) 9663,3457 ; 10281.18,4896.09 10281.18,4807 10281.18,4396.65 v1(10289.26,4388.58) ; 11455.08,3349.08 43.1@11455.08,3422.05 ; 11874.73,3347.28 34.1@11874.73,3422.05 ; v1(12341,5066) 12559,5066 12611,5014 12611,4930 12527,4846 R1-1-1.1@12527,4825.47
  Bottom Layer w50: 8166,5888 v1@8366,5888 ; v1(8646,5510) 8539,5510 8539,5378 8907.58,5378 C1f.2@8907.58,5438.55 ; 8731,6531 8760.79,6501.21 USBE.4@8760.79,6212.8 ; C1f.2@8907.9,5439.23 C2f.1@8907.9,5630.2 ; C8f.1@9088,5959 9088,6138 9129,6179 INPUT.3@9265,6179
  Bottom Layer w60: 8419.29,3641.3 C18.1@8419.29,3783.83 ; v1(11578.18,4584.72) 11756.58,4584.72 11852.25,4489.04 12208.63,4489.04 12300.7,4396.97 12300.7,4094.49 ; DSDF.1@12116.59,3593.16 DSDF.1@12134.22,3593.16 DSDF.1@12140.59,3593.16 DSDF.1@12145.59,3593.16 DSDF.1@12153.59,3593.16 DSDF.1@12161.59,3593.16 DSDF.1@12167.59,3593.16 DSDF.1@12169.59,3593.16 DSDF.1@12173.59,3593.16 DSDF.1@12186.59,3593.16 DSDF.1@12193.59,3593.16 DSDF.1@12198.59,3593.16 DSDF.1@12206.59,3593.16 DSDF.1@12212.96,3593.16 DSDF.1@12214.59,3593.16 12304.23,3593.16 ; fdcg.2@12132.48,4087.58 12363.58,4087.58 v1@12373,4097 ; 12521.86,3721.43 12543.96,3743.52 ; 12576.12,3725.12 C5.1@12576.12,3890.57
  Bottom Layer w70: 8170,6384 8241,6384 ; 8170.25,6310 8241,6380.75 8241,6384 ; 8518,6509 8393,6384 8241,6384
  Bottom Layer w80: INPUT.3@9265,6179 9265,6522 ; 10084,6180 10084,6510
  other v1: 9663,3484 12381,4097 9504.3,4678.73 9506.13,4760.9 9198.95,4774.55 9505.53,4850.03 10074.76,4857.23 12767,5185 12767,5233 12767,5279 9075,5862 8363,5887
J1V: 89.8 fdcg.1 | length 471.6
  Bottom Layer w20: 89.8@11740,3988.95 11810.95,3918 11868,3918 11894,3944 11951,3944 11976.25,3918.75 12063.65,3918.75 fdcg.1@12132.48,3987.58
J2V: 89.7 2323.2 | length 401.7
  Top Layer w20: 89.7@11685,4078.95 11685,4090 11729,4134 11848.55,4134 2323.2@11996.26,3986.28
JIN: D1-1.A DSDF.2 pad.0@12415,3956 | length 412.3
  Top Layer w60: DSDF.2@12124.38,3837.26 12258.81,3837.26 12287.6,3866.05 D1-1.A@12287.6,3953.34 12290.27,3956 pad.0@12415,3956
  Bottom Layer w60: DSDF.2@12185.59,3836.89 DSDF.2@12207,3836.89
KV: D18.A USBE.1 | length 204.8
  Bottom Layer w40: D18.A@8557.66,6138 8756.84,6138 USBE.1@8760.79,6134.06
LED_GW: 3.23 89.13 | length 2890.5
  Top Layer w20: v1(12223.18,4223.23) 12226.94,4227 v1(12226.94,5142.73)
  Top Layer w30: 89.13@11774,3572.95 11774,3508 11803,3479 11968,3479 12014,3525 12014,3874 12064.7,3924.7 v1(12064.7,4026)
  Bottom Layer w30: 3.23@11528.7,5287.87 11528.7,5222.91 11561.44,5190.17 12175.54,5190.17 v1@12224.28,5141.43 ; v1(12064.7,4026) 12064.7,4119.7 12103.69,4158.69 12196.25,4158.69 12223.18,4185.62 v1(12223.18,4223.23)
LED_S1: 17.2 U1.44 | length 1297.3
  Top Layer w20: U1.44@9594.18,4875.24 9594.85,4874.57 9898.43,4874.57 9951.79,4821.21 9951.79,3983 17.2@10030.84,3983
LED_S2: 19.2 U1.41 | length 1140
  Top Layer w20: U1.41@9594.18,4780.75 9594.85,4780.08 9841.92,4780.08 9917.34,4704.66 9917.34,3983 19.2@9853.68,3983
LED_YW: 3.5 89.11 | length 2225.5
  Top Layer w20: v1(10978.12,4442.88) 10748.88,4442.88 10728,4422 10728,4212 10813,4127 10813,3998 10865,3946 11187,3946 11223,3910 11223,3612 11261.05,3573.95 89.11@11349,3573.95
  Bottom Layer w20: v1(10978.12,4442.88) 11349.54,4442.88 11449.96,4342.46 3.5@11449.96,4234.54
MOTORDOWN: K4.2 T4.3 | length 1484
  Top Layer w80: T4.3@12120,6319.94 12120,6283 11868,6031 11868,5862 11947,5783 12540,5783 12593,5836 K4.2@12593,5978
MOTORSTOP: fdcg3.2 fdcg38.2 T4.4 | length 141.9
  Top Layer w60: fdcg38.2@12320,6178 T4.4@12320,6319.94
MOTORUP: K2.2 T4.1 | length 946.4
  Top Layer w0: 11690,6236 T4.1@11690,6288.16
  Top Layer w80: K2.2@11385,5978 11385,5851 11422,5814 11568,5814 11642,5888 11642,6126 11720,6204 T4.1@11720,6319.94
MSTOP: G9.2 INPUT.2 | length 252.2
  Top Layer w40: INPUT.2@9432,5964 9432,5945 9500.28,5876.72 G9.2@9500.28,5740.11